# KiCad board GPDI_ULX3S_panel.kicad_pcb (continued)
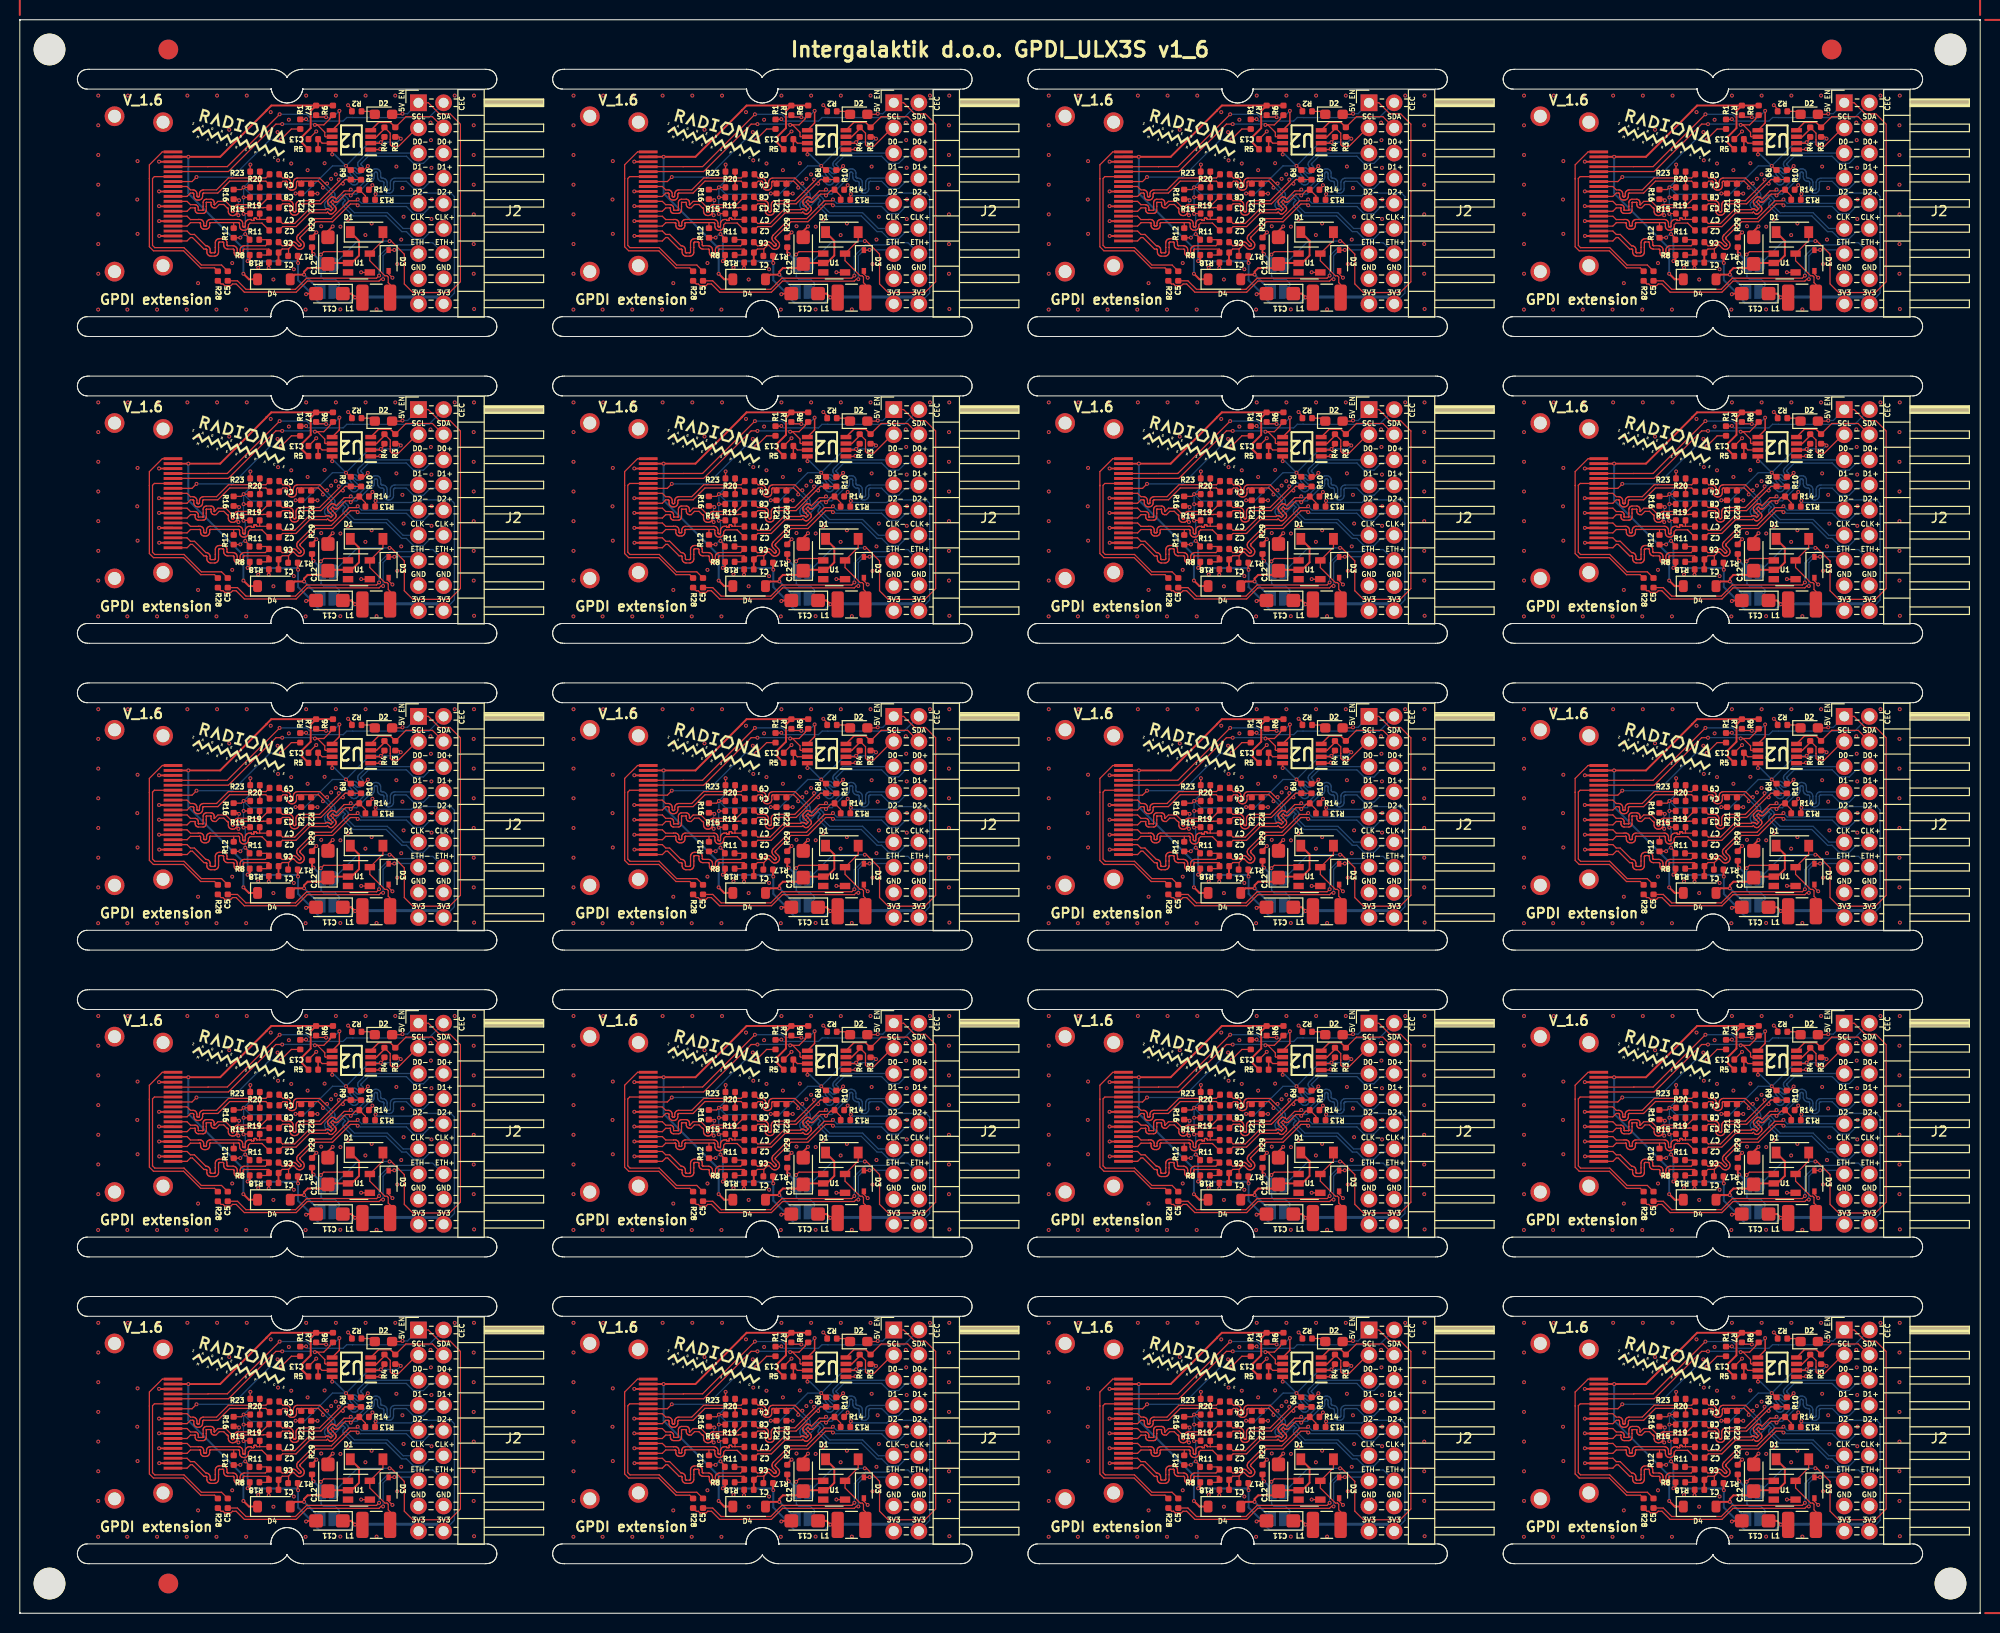
[diagram p0: board, top side]
## Routing (per net, layer and track width the routed paths; a pad name or vN(x,y) marks a point on that pad's centre or on a via; arc(x,y) is an arc through that point) (continued)
Board_15-GPDI_D0+: length 26.3
  Top w0.127: C3#17.1 170.53,49.4 171.15,49.4 171.18,49.4 171.21,49.39 171.24,49.37 171.26,49.35 171.28,49.32 171.29,49.29 171.29,49.26 171.29,48.69 171.3,48.59 171.34,48.5 171.39,48.42 171.46,48.35 171.54,48.3 171.63,48.27 171.73,48.26 171.78,48.26 171.88,48.27 171.97,48.3 172.05,48.35 172.12,48.42 172.17,48.5 172.2,48.59 172.21,48.69 172.21,49.26 172.22,49.29 172.23,49.32 172.24,49.35 172.26,49.37 172.29,49.39 172.32,49.4 172.35,49.4 174.4,49.4 176.44,51.44 v1(176.63,51.44) 176.63,51.63 176.86,51.85 R9#2.2 178.46,51.85 R10#2.1
  Bottom w0.127: v1(176.63,51.44) 176.63,51.63 176.85,51.85 176.87,51.87 176.9,51.88 176.93,51.89 176.96,51.89 176.99,51.88 177.02,51.87 177.05,51.85 177.46,51.43 177.54,51.37 177.62,51.33 177.72,51.31 177.82,51.31 177.91,51.33 178,51.37 178.07,51.43 178.11,51.47 178.17,51.55 178.21,51.63 178.24,51.73 178.24,51.83 178.21,51.92 178.17,52.01 178.11,52.08 177.7,52.5 177.68,52.52 177.66,52.55 177.66,52.58 177.66,52.61 177.66,52.64 177.68,52.67 177.7,52.7 177.71,52.71 177.73,52.72 177.75,52.72 177.77,52.72 177.79,52.72 177.81,52.71 177.82,52.7 177.95,52.57 178.02,52.51 178.1,52.48 178.18,52.46 178.27,52.46 178.35,52.48 178.43,52.51 178.5,52.57 178.6,52.67 178.66,52.74 178.7,52.82 178.71,52.9 178.71,52.99 178.7,53.07 178.66,53.15 178.6,53.22 178.47,53.35 178.46,53.36 178.45,53.38 178.45,53.4 178.45,53.42 178.45,53.44 178.46,53.46 178.47,53.47 179.22,54.22 183.04,54.22 183.76,53.49 184.76,53.49 185.48,54.22 186.48,54.22 J2#15.6
Board_15-GPDI_D0-: length 20.9
  Top w0.127: v1(176.22,51.86) 176.22,51.67 174.27,49.72 172.33,49.72 172.23,49.71 172.14,49.68 172.06,49.63 171.99,49.56 171.94,49.48 171.9,49.39 171.89,49.29 171.89,48.72 171.89,48.69 171.88,48.66 171.86,48.63 171.84,48.61 171.81,48.59 171.78,48.58 171.75,48.58 171.72,48.58 171.69,48.59 171.66,48.61 171.64,48.63 171.63,48.66 171.62,48.69 171.61,48.72 171.61,49.29 171.6,49.39 171.57,49.48 171.52,49.56 171.45,49.63 171.37,49.68 171.28,49.71 171.18,49.72 170.53,49.72 C8#17.1
  Bottom w0.127: J2#15.5 179.08,54.53 178.23,53.68 178.18,53.62 178.14,53.54 178.12,53.45 178.12,53.37 178.14,53.28 178.18,53.21 178.23,53.14 178.36,53.01 178.37,52.99 178.38,52.97 178.39,52.95 178.39,52.93 178.38,52.91 178.37,52.9 178.36,52.88 178.29,52.81 178.28,52.8 178.26,52.79 178.24,52.78 178.22,52.78 178.2,52.79 178.18,52.8 178.16,52.81 178.03,52.94 177.97,52.99 177.89,53.03 177.8,53.05 177.72,53.05 177.63,53.03 177.56,52.99 177.49,52.94 177.45,52.9 177.39,52.83 177.35,52.74 177.33,52.65 177.33,52.55 177.35,52.45 177.39,52.37 177.45,52.29 177.87,51.88 177.89,51.85 177.9,51.82 177.91,51.79 177.91,51.76 177.9,51.73 177.89,51.7 177.87,51.68 177.84,51.66 177.81,51.64 177.78,51.64 177.75,51.64 177.72,51.64 177.69,51.66 177.67,51.68 177.25,52.09 177.18,52.15 177.09,52.19 177,52.22 176.9,52.22 176.8,52.19 176.72,52.15 176.64,52.09 176.41,51.86 v1(176.22,51.86)
Board_15-GPDI_D1+: length 26.6
  Top w0.127: C2#18.1 170.54,47.1 171.9,47.1 173.29,48.49 174.99,48.49 175.08,48.58 175.21,48.46 175.26,48.42 175.32,48.39 175.39,48.37 175.46,48.37 175.52,48.39 175.58,48.42 175.63,48.46 175.86,48.68 175.9,48.74 175.93,48.8 175.95,48.86 175.95,48.93 175.93,48.99 175.9,49.06 175.86,49.11 175.62,49.35 175.63,49.36 175.41,49.58 175.61,49.78 175.73,49.66 175.78,49.61 175.85,49.59 175.91,49.57 175.98,49.57 176.04,49.59 176.1,49.61 176.16,49.66 176.89,50.39 177.29,50.39 v1(177.42,50.25) 177.91,50.74 178.19,50.74 R14#19.1 178.91,50.21 R13#19.2
  Bottom w0.127: J2#15.8 186.48,51.68 185.48,51.68 184.76,50.95 183.76,50.95 183.04,51.68 181.91,51.68 181.87,51.67 181.84,51.66 181.81,51.64 181.78,51.61 181.76,51.58 181.75,51.55 181.75,51.51 181.75,50.94 181.73,50.84 181.7,50.74 181.65,50.65 181.57,50.58 181.49,50.53 181.39,50.49 181.29,50.48 181.23,50.48 181.13,50.49 181.03,50.53 180.95,50.58 180.88,50.65 180.82,50.74 180.79,50.84 180.78,50.94 180.78,51.51 180.77,51.55 180.76,51.58 180.74,51.61 180.71,51.64 180.68,51.66 180.65,51.67 180.61,51.68 180.58,51.68 180.48,51.69 180.38,51.72 180.3,51.78 180.23,51.85 180.17,51.93 180.14,52.03 180.13,52.13 180.13,52.45 180.12,52.49 180.11,52.53 180.09,52.56 180.06,52.58 180.03,52.6 180,52.62 179.96,52.62 179.92,52.62 179.89,52.6 179.86,52.58 179.83,52.56 179.81,52.53 179.8,52.49 179.8,52.45 179.8,52.13 179.78,52.03 179.75,51.93 179.7,51.85 179.62,51.78 179.54,51.72 179.44,51.69 179.34,51.68 179.31,51.68 178.03,50.39 177.56,50.39 v1(177.42,50.25)
Board_15-GPDI_D1-: length 21
  Top w0.127: v1(177.42,50.85) 177.29,50.71 176.76,50.71 175.94,49.89 175.82,50.02 175.77,50.06 175.71,50.09 175.64,50.11 175.57,50.11 175.51,50.09 175.45,50.06 175.39,50.02 175.17,49.79 175.13,49.74 175.1,49.68 175.08,49.62 175.08,49.55 175.1,49.48 175.13,49.42 175.17,49.37 175.41,49.13 175.4,49.12 175.62,48.9 175.42,48.7 175.3,48.82 175.24,48.86 175.18,48.89 175.12,48.91 175.05,48.91 174.98,48.89 174.92,48.86 174.87,48.82 174.86,48.81 173.16,48.81 171.77,47.42 170.54,47.42 C7#5.1
  Bottom w0.127: J2#15.7 181.88,52 181.78,51.98 181.68,51.95 181.6,51.9 181.53,51.82 181.47,51.74 181.44,51.64 181.43,51.54 181.43,50.97 181.42,50.93 181.41,50.89 181.39,50.86 181.36,50.84 181.33,50.82 181.3,50.8 181.26,50.8 181.22,50.8 181.19,50.82 181.16,50.84 181.13,50.86 181.11,50.89 181.1,50.93 181.1,50.97 181.1,51.54 181.08,51.64 181.05,51.74 181,51.82 180.92,51.9 180.84,51.95 180.74,51.98 180.64,52 180.61,52 180.57,52 180.54,52.01 180.51,52.03 180.48,52.06 180.46,52.09 180.45,52.12 180.45,52.16 180.45,52.48 180.43,52.58 180.4,52.68 180.35,52.77 180.27,52.84 180.19,52.89 180.09,52.93 179.99,52.94 179.93,52.94 179.83,52.93 179.73,52.89 179.65,52.84 179.58,52.77 179.52,52.68 179.49,52.58 179.48,52.48 179.48,52.16 179.47,52.12 179.46,52.09 179.44,52.06 179.41,52.03 179.38,52.01 179.35,52 179.31,52 179.18,52 177.89,50.71 177.56,50.71 v1(177.42,50.85)
Board_15-GPDI_D2+: length 22.7
  Top w0.127: 171.14,44.84 170.5,44.84 C1#12.1 ; 171.14,44.84 171.14,44.19 R17#17.2 ; 171.14,44.84 171.49,45.19 171.51,45.21 171.54,45.22 171.57,45.23 171.6,45.23 171.63,45.22 171.66,45.21 171.69,45.19 171.95,44.92 172.03,44.86 172.12,44.82 172.21,44.79 172.31,44.79 172.4,44.82 172.49,44.86 172.57,44.92 172.6,44.96 172.67,45.03 172.71,45.12 172.73,45.21 172.73,45.31 172.71,45.41 172.67,45.49 172.6,45.57 172.34,45.84 172.32,45.86 172.3,45.89 172.3,45.92 172.3,45.95 172.3,45.98 172.32,46.01 172.34,46.04 173.89,47.59 175.59,47.59 177.39,49.39 177.99,49.39 v1(178.12,49.25)
  Top w0.2: R18#7.1 170.13,44.47 C1#12.1
  Bottom w0.127: v1(178.12,49.25) 178.27,49.25 178.38,49.14 183.04,49.14 183.76,48.41 184.76,48.41 185.48,49.14 186.48,49.14 J2#15.10
Board_15-GPDI_D2-: length 17.8
  Top w0.127: v1(178.12,49.85) 177.99,49.71 177.26,49.71 175.46,47.91 173.76,47.91 172.09,46.24 172.03,46.17 171.99,46.08 171.97,45.98 171.97,45.89 171.99,45.79 172.03,45.71 172.09,45.63 172.36,45.36 172.38,45.34 172.39,45.31 172.4,45.28 172.4,45.25 172.39,45.22 172.38,45.19 172.36,45.16 172.34,45.14 172.31,45.13 172.28,45.12 172.25,45.12 172.21,45.13 172.19,45.14 172.16,45.16 171.89,45.43 171.82,45.49 171.73,45.53 171.64,45.56 171.54,45.56 171.44,45.53 171.36,45.49 171.28,45.43 171.01,45.16 170.5,45.16 C6#14.1
  Bottom w0.127: J2#15.9 178.52,49.46 v1(178.12,49.85)
Board_15-GPDI_ETH+: length 25.7
  Top w0.127: C5#15.1 165.98,41.62 166.84,40.77 171.84,40.77 172.97,41.89 180.03,41.89 v1(180.29,42.15)
  Bottom w0.127: J2#15.14 185.71,45.47 183.87,45.47 183.65,45.25 181.41,45.25 180.29,44.13 v1(180.29,42.15)
Board_15-GPDI_ETH-: length 24.8
  Top w0.127: v1(180.69,41.79) 180.48,41.79 180.29,41.6 173.03,41.6 171.91,40.48 166.68,40.48 165.85,41.31 165.48,41.31 165.31,41.14 164.69,41.14 164.52,41.31 164.32,41.31 R28#6.2 ; 181.25,44.72 181.8,44.72 v1(181.82,44.75)
  Bottom w0.127: v1(180.69,41.79) 180.69,41.79 180.69,44.16 181.27,44.75 v1(181.82,44.75) 183.89,44.75 J2#15.13
Board_15-GPDI_SCL: length 21.1
  Top w0.127: P1#9.15 159.48,52.67 165.07,52.67 169.86,57.46 v1(170.5,57.46) ; R6#16.2 175.32,58.06 175.32,58 174.7,57.38 v1(173.8,57.38) 174.05,57.38 174.8,56.63 174.8,56.25 174.87,56.18 U2#19.6
  Bottom w0.127: v1(173.8,57.38) 173.71,57.47 170.51,57.47 v1(170.5,57.46)
Board_15-GPDI_SDA: length 22.8
  Top w0.127: v1(170.24,58.45) 164.96,53.17 163.02,53.17 163.01,53.15 P1#9.16 ; v1(174.93,58.16) 174.91,58.18 174.11,58.18 R7#7.2
  Top w0.15: v1(176.27,58.8) 176.27,57.57 U2#19.5
  Bottom w0.127: v1(176.27,58.8) 175.58,58.1 174.99,58.1 v1(174.93,58.16) 174.92,58.17 173.25,58.17 172.97,58.45 v1(170.24,58.45)
Board_15-Net-(D1-A): length 8.1
  Top w0.127: L1.2 181.4,41.25 181.21,41.44 181.21,42.01 181.08,42.13 180.87,42.13 179.35,43.66 U1#5.5 180.67,45.7 D1#9.2
Board_15-Net-(D1-K): length 13.2
  Top w0.2: D1#9.1 178.26,45.66 178.26,44.18 177.51,43.43 U1#5.2 175.22,43.43 C12#9.1 174.7,42.91 173.07,42.91 172.71,42.55 v1(172.71,42.25) 171.78,42.25 D4#8.2
  Bottom w0.2: JP2#3.1 174.37,40.59 v1(172.71,42.25)
Board_15-Net-(D2-K): length 1.5
  Top w0.127: R2#3.1 179.55,58.75 D2#15.1
Board_15-Net-(U2-VREF2): length 2.6
  Top w0.127: C13.1 174.53,55.53 U2#19.7
  Top w0.15: R5#11.2 C13.1
Board_15-PMOD_SCL: length 8.1
  Top w0.127: R4#19.2 181.41,56.55 181.41,55.88 181.41,55.88 181.41,55.38 181.59,55.21 182.25,55.21 184.11,57.07 J2#15.3 183.88,56.69
  Top w0.15: R4#19.2 180.82,56.98 180.03,56.18 U2#19.3
Board_15-PMOD_SDA: length 8.8
  Top w0.127: J2#15.4 185.67,58.21 183,58.21 R3#12.2
  Top w0.15: U2#19.4 180.24,57.63 181.43,57.63 R3#12.2
Board_16-5V_ENABLE: length 54.8
  Top w0.127: U1#7.1 32.96,13.57 30.7,13.57 v1(30.41,13.28) ; v1(38.65,27.51) 38.59,27.45 D2#4.2 ; 39.8,28.15 J2#4.1 41.26,28.62 42.39,27.49 43.46,27.49 44.5,26.45 44.5,10.53 43.41,9.44 39.7,9.44 38.83,10.31 38.83,13.32 37.51,14.64 v1(37.34,14.64)
  Top w0.2: v1(29.66,13.33) 29.51,13.48 R29#10.1
  Bottom w0.127: v1(38.65,27.51) 39.16,27.51 J2#4.1 ; JP1#14.1 34.12,14.64 v1(37.34,14.64) ; JP2#17.2 32.26,10.13 32.26,10.39 31.86,10.79 30.68,10.79 30.44,11.03 30.43,11.03 30.43,12.25 JP1#14.2 30.42,13 30.41,13.01 v1(30.41,13.28)
  Bottom w0.2: JP1#14.2 30.42,12.57 v1(29.66,13.33)
  Bottom w0.5: JP1#14.2 JP1#14.1
Board_16-+3V3: length 87.4
  Top w0.127: v1(32.94,22.24) 33.36,21.82 R9#12.1 ; v1(27.85,19.45) R21#10.1 ; v1(22.77,15.35) 23.21,14.91 R11.1 ; v1(23.29,22.37) 23.27,22.35 R23#4.1 ; R13#6.1 35.88,19.33 v1(35.93,19.38) ; R20#18.1 v1(22.6,20.07) 22.38,19.85 R16#9.1 ; R12#12.1 22.26,14.97 v1(22.27,14.99) ; R3#19.1 38.3,25.16 v1(38.47,24.99) ; L1#14.1 33.88,8.93 v1(33.86,8.95) ; v1(22.59,17.39) 22.62,17.42 R15#11.1 ; R19#15.1 v1(22.6,19.06) ; v1(36.47,24.63) 36.82,24.99 R4#14.1
  Top w0.15: v1(31.55,23.4) 31.54,23.41 U2#10.8 ; U2#10.2 36.37,24.53 v1(36.47,24.63)
  Top w0.2: v1(28.1,12.43) 28.07,12.46 R17#3.1 ; C11#3.1 33.48,9.33 v1(33.86,8.95) ; v1(23.01,12.62) 23.23,12.84 R8#5.1
  Bottom w0.127: v1(22.6,20.07) 23.3,19.37 27.77,19.37 v1(27.85,19.45) 28.79,19.45 31.58,22.24 v1(32.94,22.24) 35.34,24.63 v1(36.47,24.63) 38.12,24.63 v1(38.47,24.99) ; v1(22.6,20.07) 23.29,20.75 v1(23.29,22.37) ; v1(22.6,20.07) v1(22.6,19.06) 22.59,19.05 v1(22.59,17.39) 22.77,17.22 v1(22.77,15.35) 22.63,15.35 v1(22.27,14.99) ; v1(35.93,19.38) 36.08,19.23 39.57,19.23 39.83,19.5 43.54,19.5 43.89,19.14 43.89,9.38 J2#4.18
  Bottom w0.15: v1(32.94,22.24) 31.78,23.4 v1(31.55,23.4)
  Bottom w0.2: v1(22.77,15.35) 23.01,15.11 v1(23.01,12.62) 23.03,12.6 27.93,12.6 v1(28.1,12.43) 28.1,10.68 29.65,9.14 29.65,9 30.24,8.41 33.32,8.41 v1(33.86,8.95)
  Bottom w0.3: v1(33.86,8.95) 33.9,8.99 42.11,8.99 J2#4.18
Board_16-+5V: length 39.3
  Top w0.2: R5#16.1 28.53,24.55 28.53,25.2 29.38,26.06 29.38,27.79 R7#11.1 ; v1(22.58,11.34) 23.14,10.78 D4#9.1 ; P1#18.18 v1(17.02,23.15) 20.24,23.15 24.92,27.83 24.92,27.85 25.4,28.34 R7#11.1 ; R6#17.1 R7#11.1
  Bottom w0.2: v1(22.58,11.34) 22.58,13.9 17.02,19.46 v1(17.02,23.15)
Board_16-/CEC: length 15.1
  Top w0.127: v1(17.85,21.11) 17.39,20.65 P1#18.13 ; R1#19.1 27.43,25.97 v1(26.37,24.91)
  Bottom w0.127: v1(26.37,24.91) 25.28,24.91 21.48,21.11 v1(17.85,21.11)
Board_16-/CLK+: length 12.1
  Top w0.127: P1#18.10 16.89,19.15 17.24,19.5 17.45,19.5 17.48,19.49 17.51,19.48 17.53,19.47 17.55,19.45 17.56,19.43 17.57,19.4 17.57,19.38 17.57,19.19 17.58,19.1 17.61,19.02 17.66,18.94 17.73,18.87 17.8,18.82 17.89,18.79 17.98,18.78 18.05,18.78 18.14,18.79 18.23,18.82 18.31,18.87 18.37,18.94 18.42,19.02 18.45,19.1 18.46,19.19 18.46,19.38 18.47,19.4 18.48,19.43 18.49,19.45 18.51,19.47 18.53,19.48 18.55,19.49 18.58,19.5 20,19.5 21.2,20.7 24.85,20.7 C4#19.2
  Top w0.15: R20#18.2 24.24,20.66
Board_16-/CLK-: length 12.2
  Top w0.127: C9.2 24.85,21.02 24.26,21.02 ; 24.26,21.02 21.07,21.02 19.87,19.81 18.56,19.81 18.46,19.8 18.38,19.77 18.3,19.72 18.23,19.66 18.19,19.58 18.16,19.49 18.14,19.4 18.14,19.22 18.14,19.19 18.13,19.17 18.12,19.15 18.1,19.13 18.08,19.11 18.05,19.1 18.03,19.1 18.01,19.1 17.98,19.1 17.96,19.11 17.93,19.13 17.92,19.15 17.9,19.17 17.89,19.19 17.89,19.22 17.89,19.4 17.88,19.49 17.85,19.58 17.8,19.66 17.74,19.72 17.66,19.77 17.57,19.8 17.48,19.81 17.24,19.81 16.89,20.15 P1#18.12 ; 24.26,21.02 24.24,21.03 R23#4.2
Board_16-/D0+: length 15.7
  Top w0.127: P1#18.7 16.89,17.65 17.24,18 17.67,18 17.68,17.99 17.69,17.99 17.7,17.99 17.7,17.98 17.71,17.97 17.71,17.97 17.71,17.96 17.71,17.78 17.72,17.7 17.75,17.63 17.79,17.57 17.84,17.51 17.9,17.47 17.97,17.45 18.05,17.44 18.49,17.44 18.57,17.45 18.64,17.47 18.7,17.51 18.76,17.57 18.8,17.63 18.82,17.7 18.83,17.78 18.83,18.15 18.83,18.51 18.83,18.52 18.84,18.53 18.84,18.54 18.85,18.54 18.85,18.55 18.86,18.55 18.87,18.55 19.27,18.55 19.28,18.55 19.29,18.55 19.3,18.54 19.3,18.54 19.31,18.53 19.31,18.52 19.31,18.51 19.31,18.33 19.32,18.26 19.35,18.19 19.39,18.12 19.44,18.07 19.5,18.03 19.58,18 19.65,18 19.8,18 20.14,18.34 20.6,18.34 20.93,18.01 20.96,18 20.99,17.99 21.01,17.98 21.03,17.96 21.04,17.93 21.05,17.91 21.06,17.88 21.06,17.64 21.07,17.55 21.1,17.46 21.15,17.38 21.22,17.31 21.3,17.26 21.38,17.23 21.48,17.22 21.53,17.22 21.62,17.23 21.71,17.26 21.79,17.31 21.86,17.38 ; 21.86,17.38 21.95,17.38 v1(22.08,17.25) ; 21.86,17.38 21.91,17.46 21.94,17.55 21.95,17.64 21.95,17.88 21.95,17.91 21.96,17.93 21.98,17.96 22,17.98 22.02,17.99 22.05,18 22.08,18.01 22.15,18.01 22.18,18 22.2,17.99 22.23,17.98 22.25,17.96 22.26,17.93 22.27,17.91 22.28,17.88 22.28,17.87 22.28,17.84 22.29,17.82 22.3,17.79 22.32,17.77 22.35,17.76 22.37,17.75 22.4,17.75 22.43,17.75 22.46,17.76 22.48,17.77 22.5,17.79 22.52,17.82 22.53,17.84 22.53,17.87 22.53,17.88 22.53,17.91 22.54,17.93 22.56,17.96 22.58,17.98 22.6,17.99 22.63,18 22.66,18.01 24.57,18.01 24.59,18.03 C3#8.2 ; R16#9.2 22.03,18.88 v1(22.15,18.76)
  Bottom w0.127: v1(22.15,18.76) 22.08,18.7 v1(22.08,17.25)
Board_16-/D0-: length 14.1
  Top w0.127: 25.13,19.06 C8#15.2 24.39,18.33 22.05,18.33 21.96,18.31 21.87,18.28 21.79,18.23 21.72,18.17 21.67,18.09 21.64,18 21.63,17.91 21.63,17.67 21.63,17.64 21.62,17.61 21.6,17.59 21.58,17.57 21.56,17.55 21.53,17.54 21.5,17.54 21.48,17.54 21.45,17.55 21.42,17.57 21.4,17.59 21.39,17.61 21.38,17.64 21.38,17.67 21.38,17.91 21.37,18 21.33,18.09 21.28,18.17 20.8,18.65 20.01,18.65 19.67,18.31 19.66,18.32 19.65,18.32 19.65,18.32 19.64,18.33 19.64,18.34 19.63,18.34 19.63,18.35 19.63,18.53 19.62,18.61 19.6,18.68 19.56,18.74 19.51,18.8 19.44,18.84 19.37,18.86 19.29,18.87 18.85,18.87 18.78,18.86 18.7,18.84 18.64,18.8 18.59,18.74 18.55,18.68 18.52,18.61 18.51,18.53 18.51,18.15 18.51,18.15 18.51,17.8 18.51,17.79 18.51,17.78 18.5,17.77 18.5,17.77 18.49,17.76 18.48,17.76 18.47,17.76 18.07,17.76 18.06,17.76 18.05,17.76 18.05,17.77 18.04,17.77 18.03,17.78 18.03,17.79 18.03,17.8 18.03,17.98 18.02,18.05 18,18.12 17.96,18.19 17.9,18.24 17.84,18.28 17.77,18.31 17.69,18.31 17.24,18.31 16.89,18.65 P1#18.9
  Top w0.15: 24.2,18.33 24.22,18.34 R19#15.2
Board_16-/D1+: length 12.6
  Top w0.127: C2#12.2 24.45,16.46 23.26,16.46 23.09,16.29 23.09,16.15 23.08,16.05 23.05,15.97 23,15.89 22.93,15.82 22.85,15.77 22.76,15.74 22.67,15.73 22.62,15.73 22.52,15.74 22.44,15.77 22.36,15.82 22.29,15.89 22.24,15.97 22.21,16.05 22.2,16.15 22.2,16.38 22.19,16.41 22.18,16.43 22.17,16.46 22.15,16.48 22.13,16.49 22.1,16.5 22.07,16.51 19.27,16.51 19.25,16.5 19.23,16.5 19.21,16.49 19.19,16.47 19.18,16.45 19.18,16.43 19.17,16.41 19.17,16.23 19.16,16.14 19.14,16.06 19.09,15.99 19.03,15.93 18.95,15.88 18.87,15.85 18.79,15.84 18.64,15.84 18.56,15.85 18.48,15.88 18.4,15.93 18.34,15.99 18.29,16.06 18.27,16.14 18.26,16.23 18.26,16.41 18.25,16.43 18.25,16.45 18.24,16.47 18.22,16.49 18.2,16.5 18.18,16.5 18.16,16.51 18.15,16.5 17.24,16.5 16.89,16.15 P1#18.4 ; 21.6,15.94 21.6,16.49
Board_16-/D1-: length 12.8
  Top w0.127: 24.23,16.83 25.16,16.83 C7#2.2 ; 24.23,16.83 23.97,16.83 23.95,16.83 23.94,16.83 23.92,16.84 23.91,16.85 23.9,16.87 23.9,16.88 23.9,16.91 23.89,16.93 23.88,16.94 23.87,16.96 23.86,16.96 23.84,16.97 23.82,16.97 23.72,16.97 23.7,16.97 23.68,16.96 23.67,16.96 23.66,16.94 23.65,16.93 23.65,16.91 23.64,16.9 23.64,16.78 23.64,16.76 23.64,16.75 23.63,16.74 23.62,16.74 23.62,16.73 23.6,16.73 23.59,16.73 23.44,16.73 23.43,16.73 23.42,16.73 23.41,16.74 23.4,16.74 23.39,16.75 23.39,16.76 23.39,16.79 23.38,16.8 23.38,16.81 23.37,16.81 23.36,16.82 23.35,16.82 23.34,16.83 23.19,16.83 23.1,16.81 23.01,16.78 22.93,16.73 22.86,16.67 22.81,16.59 22.78,16.5 22.77,16.41 22.77,16.17 22.77,16.15 22.76,16.12 22.74,16.09 22.72,16.07 22.7,16.06 22.67,16.05 22.64,16.05 22.62,16.05 22.59,16.06 22.56,16.07 22.54,16.09 22.53,16.12 22.52,16.15 22.52,16.17 22.52,16.41 22.51,16.5 22.47,16.59 22.42,16.67 22.36,16.73 22.28,16.78 22.19,16.81 22.1,16.83 19.24,16.83 19.16,16.82 19.08,16.79 19,16.74 18.94,16.68 18.89,16.61 18.87,16.52 18.86,16.44 18.86,16.25 18.85,16.23 18.85,16.21 18.84,16.2 18.82,16.18 18.8,16.17 18.78,16.16 18.76,16.16 18.67,16.16 18.65,16.16 18.63,16.17 18.61,16.18 18.59,16.2 18.58,16.21 18.58,16.23 18.57,16.25 18.57,16.44 18.56,16.52 18.54,16.61 18.49,16.68 18.43,16.74 18.35,16.79 18.27,16.82 18.19,16.83 18.03,16.83 18.02,16.81 17.24,16.81 16.89,17.15 P1#18.6 ; 24.23,16.83 R15#11.2
Board_16-/D2+: length 15
  Top w0.127: R8#5.2 24.92,13.23 C1.2 25.17,13.8 25.14,13.83 22.65,13.83 22.62,13.82 22.6,13.79 22.58,13.77 22.57,13.74 22.57,13.71 22.57,13.5 22.56,13.4 22.52,13.31 22.47,13.23 22.4,13.16 22.32,13.1 22.23,13.07 22.13,13.06 22.08,13.06 21.98,13.07 21.89,13.1 21.81,13.16 21.74,13.23 21.69,13.31 21.66,13.4 21.64,13.5 21.64,13.71 21.64,13.74 21.63,13.77 21.61,13.79 21.59,13.82 21.56,13.83 21.01,13.83 20.91,13.84 20.83,13.88 20.75,13.92 20.68,13.99 20.63,14.07 20.6,14.16 20.59,14.25 20.59,14.44 20.59,14.47 20.58,14.49 20.57,14.51 20.55,14.53 20.53,14.54 20.51,14.55 20.48,14.55 20.18,14.55 20.16,14.55 20.14,14.54 20.12,14.53 20.1,14.51 20.09,14.49 20.08,14.47 20.07,14.44 20.07,14 20.07,14 20.07,13.53 20.06,13.44 20.03,13.35 19.98,13.27 19.92,13.21 19.84,13.16 19.75,13.13 19.66,13.12 19.31,13.12 19.21,13.13 19.13,13.16 19.05,13.21 18.98,13.27 18.93,13.35 18.9,13.44 18.89,13.53 18.89,13.73 18.89,13.75 18.88,13.77 18.87,13.79 18.85,13.81 18.83,13.82 18.81,13.83 18.78,13.83 18.6,13.83 17.43,15 17.24,15 16.89,14.65 P1#18.1
Board_16-/D2-: length 14.8
  Top w0.127: P1#18.3 16.89,15.65 17.24,15.31 17.64,15.31 18.78,14.17 18.81,14.17 18.9,14.16 18.99,14.13 19.07,14.08 19.13,14.01 19.18,13.93 19.21,13.84 19.22,13.75 19.22,13.56 19.23,13.54 19.23,13.51 19.25,13.49 19.26,13.48 19.29,13.46 19.31,13.45 19.33,13.45 19.63,13.45 19.66,13.45 19.68,13.46 19.7,13.48 19.72,13.49 19.73,13.51 19.74,13.54 19.74,13.56 19.74,14 19.74,14.47 19.75,14.56 19.78,14.65 19.83,14.73 19.9,14.79 19.98,14.84 20.06,14.87 20.16,14.88 20.51,14.88 20.6,14.87 20.69,14.84 20.77,14.79 20.83,14.73 20.88,14.65 20.91,14.56 20.92,14.47 20.92,14.27 20.93,14.25 20.94,14.23 20.95,14.21 20.97,14.19 20.99,14.18 21.01,14.17 21.03,14.17 21.53,14.17 21.63,14.16 21.72,14.12 21.8,14.07 21.87,14 21.92,13.92 21.95,13.83 21.96,13.73 21.96,13.52 21.97,13.49 21.98,13.46 21.99,13.43 22.02,13.41 22.04,13.39 22.07,13.38 22.11,13.38 22.14,13.38 22.17,13.39 22.19,13.41 22.22,13.43 22.23,13.46 22.24,13.49 22.25,13.52 22.25,13.73 22.26,13.83 22.29,13.92 22.34,14 22.41,14.07 22.49,14.12 22.59,14.16 22.68,14.17 24.8,14.17 C6#2.2 24.91,14.78 R11.2
Board_16-/ETH+: length 17.6
  Top w0.127: P1#18.14 13.59,21.15 13.4,20.97 13.4,14.2 13.63,13.98 16.58,13.98 18.34,12.22 20.38,12.22 C5#6.2
Board_16-/ETH-: length 19.2
  Top w0.127: 13.09,20.93 13.09,22.35 14.39,23.65 P1#18.19 ; 13.09,20.93 13.09,20.97 ; 13.09,20.93 13.09,14.07 13.5,13.66 16.54,13.66 18.27,11.93 19.67,11.93 R28#9.1
Board_16-GND: length 17.5
  Top w0.127: v1(37.63,10.94) 37.25,11.32 D3.2 ; v1(35.61,20.29) 35.61,20.19 R14#9.2 ; U1#7.4 34.49,11.47 v1(34.47,11.49) ; C13#5.2 29.94,25.72 v1(29.94,25.72) ; v1(30.07,19.44) 30.07,19.44 R22#10.2 ; R10#17.2 34.75,21.82 v1(35.15,22.22) ; R2#8.2 33.54,27.98 v1(33.15,28.37)
  Top w0.15: U2#10.1 36.35,23.88 v1(36.4,23.94)
  Top w0.2: v1(14.07,16.66) 14.08,16.65 P1#18.5 ; v1(29.95,15.52) 29.51,15.08 R29#10.2 ; v1(28.91,9.27) 28.97,9.33 C11#3.2 ; P1#18.17 14.07,22.65 v1(14.06,22.67) ; v1(14.06,18.18) 14.08,18.15 P1#18.8 ; C12#10.2 31.12,15.64 v1(31.6,16.12) ; v1(25.14,11.93) 25.16,11.94 R18#2.2 ; P1#18.2 14.08,15.15 v1(14.08,15.16) ; P1#18.11 14.07,19.65 v1(14.06,19.66)
  In1.Cu w0.5: 40.38,10.72 J2#4.15
  vias: v1(7.92,29.34) v1(7.92,26.34) v1(7.92,23.34) v1(7.92,20.34) v1(7.92,17.34) v1(7.92,14.34) v1(7.92,11.34) v1(7.91,7.72) v1(10.92,29.34) v1(10.86,7.72) v1(11.89,22.72) v1(11.86,18.84) v1(11.89,15.37) v1(13.92,29.34) v1(13.86,7.72) v1(16.92,29.34) v1(16.86,7.72) v1(18.02,25.97) v1(18,10.39) v1(19.92,29.34) v1(19.86,7.72) v1(21.15,25.89) v1(21.45,12.42) v1(22.92,29.34) v1(22.86,7.72) v1(24.08,11.94) v1(25.34,27.67) v1(25.61,10.76) v1(26.03,25.65) v1(26.08,22.8) v1(27.17,26.9) v1(27.41,22.48) v1(27.68,11.79) v1(28.92,29.34) v1(28.86,7.72) v1(29.07,21.81) v1(30.44,16.14) v1(30.78,22.51) v1(31.44,20.93) v1(31.92,29.34) v1(31.91,21.38) v1(32.38,16.1) v1(32.37,7.74) v1(33.14,16.81) v1(34.92,29.34) v1(34.9,15.25) v1(35.53,16.42) v1(36.03,7.74) v1(37.92,29.34) v1(38.03,22.17) v1(38.12,12.32) v1(38.52,14.79) v1(38.64,20) v1(38.76,17.1) v1(41.48,26.61) v1(41.52,24.84) v1(41.57,22.05) v1(41.6,18.85) v1(41.58,16.87) v1(43.92,29.34) v1(45.84,26.34) v1(45.84,23.34) v1(45.84,20.34) v1(45.84,17.34) v1(45.84,14.34) v1(45.84,11.34) v1(45.87,29.34) v1(45.88,7.78)
Board_16-GPDI_CEC: length 15.3
  Top w0.127: R1#19.2 28.89,26.94 v1(28.91,26.96)
  Bottom w0.127: v1(28.91,26.96) 29.1,26.77 32.66,26.77 33.02,27.13 33.6,27.13 33.61,27.12 41.31,27.12 J2#4.2
Board_16-GPDI_CLK+: length 24.8
  Top w0.127: 28.45,20.69 29.43,20.69 ; 28.45,20.69 28.42,20.67 R21#10.2 ; 28.45,20.69 28.09,20.69 28.06,20.69 28.03,20.68 28,20.66 27.98,20.64 27.96,20.61 27.95,20.58 27.95,20.55 27.95,20.22 27.94,20.12 27.9,20.03 27.85,19.95 27.78,19.88 27.7,19.83 27.61,19.8 27.51,19.79 27.46,19.79 27.36,19.8 27.27,19.83 27.19,19.88 27.12,19.95 27.07,20.03 27.04,20.12 27.03,20.22 27.03,20.55 27.02,20.58 27.01,20.61 27,20.64 26.97,20.66 26.95,20.68 26.92,20.69 26.89,20.69 26.57,20.69 C4#19.1 ; 29.43,20.69 30.16,20.69 30.62,20.23 v1(30.62,20.04) ; 29.43,20.69 R22#10.1
  Bottom w0.127: J2#4.12 42.48,15.6 41.48,15.6 40.76,14.87 39.76,14.87 39.04,15.6 38.58,15.6 36.99,17.19 33.66,17.19 32.73,18.12 32.68,18.18 32.65,18.25 32.63,18.32 32.63,18.39 32.65,18.47 32.68,18.53 32.73,18.59 32.85,18.72 32.86,18.72 32.86,18.73 32.86,18.74 32.86,18.75 32.86,18.75 32.86,18.76 32.85,18.77 32.67,18.95 32.66,18.96 32.65,18.96 32.65,18.96 32.64,18.96 32.63,18.96 32.63,18.96 32.62,18.95 31.59,17.93 31.51,17.86 31.42,17.82 31.32,17.8 31.22,17.8 31.12,17.82 31.03,17.86 30.95,17.93 30.91,17.97 30.85,18.05 30.8,18.14 30.78,18.24 30.78,18.34 30.8,18.44 30.85,18.53 30.91,18.61 31.46,19.16 31.48,19.19 31.5,19.22 31.5,19.26 31.5,19.29 31.5,19.33 31.48,19.36 31.46,19.39 30.81,20.04 v1(30.62,20.04)
Board_16-GPDI_CLK-: length 21
  Top w0.127: C9.1 26.57,21.01 26.91,21.01 27.01,21 27.1,20.97 27.18,20.92 27.25,20.85 27.3,20.77 27.34,20.68 27.35,20.58 27.35,20.25 27.35,20.21 27.36,20.18 27.38,20.16 27.4,20.14 27.43,20.12 27.46,20.11 27.49,20.1 27.52,20.11 27.55,20.12 27.57,20.14 27.6,20.16 27.61,20.18 27.62,20.21 27.63,20.25 27.63,20.58 27.64,20.68 27.67,20.77 27.72,20.85 27.79,20.92 27.87,20.97 27.96,21 28.06,21.01 30.29,21.01 30.84,20.46 v1(31.03,20.46)
  Bottom w0.127: J2#4.11 38.71,15.91 37.12,17.51 33.79,17.51 32.97,18.33 32.96,18.34 32.96,18.35 32.96,18.35 32.96,18.36 32.96,18.37 32.96,18.37 32.97,18.38 33.09,18.51 33.14,18.57 33.17,18.63 33.19,18.71 33.19,18.78 33.17,18.85 33.14,18.92 33.09,18.98 32.88,19.19 32.82,19.24 32.75,19.27 32.68,19.29 32.61,19.29 32.53,19.27 32.47,19.24 32.41,19.19 31.39,18.17 31.36,18.15 31.33,18.13 31.29,18.13 31.25,18.13 31.22,18.13 31.18,18.15 31.15,18.17 31.13,18.2 31.12,18.24 31.11,18.27 31.11,18.31 31.12,18.34 31.13,18.38 31.15,18.41 31.7,18.95 31.77,19.03 31.81,19.13 31.83,19.23 31.83,19.33 31.81,19.43 31.77,19.52 31.7,19.6 31.03,20.27 v1(31.03,20.46)
Board_16-GPDI_D0+: length 26.3
  Top w0.127: C3#8.1 26.53,18.4 27.15,18.4 27.18,18.4 27.21,18.39 27.24,18.37 27.26,18.35 27.28,18.32 27.29,18.29 27.29,18.26 27.29,17.69 27.3,17.59 27.34,17.5 27.39,17.42 27.46,17.35 27.54,17.3 27.63,17.27 27.73,17.26 27.78,17.26 27.88,17.27 27.97,17.3 28.05,17.35 28.12,17.42 28.17,17.5 28.2,17.59 28.21,17.69 28.21,18.26 28.22,18.29 28.23,18.32 28.24,18.35 28.26,18.37 28.29,18.39 28.32,18.4 28.35,18.4 30.4,18.4 32.44,20.44 v1(32.63,20.44) 32.63,20.63 32.86,20.85 R9#12.2 34.46,20.85 R10#17.1